# Altium PCB XTIDA-010086.PcbDoc (part 5 of 17) (continued)
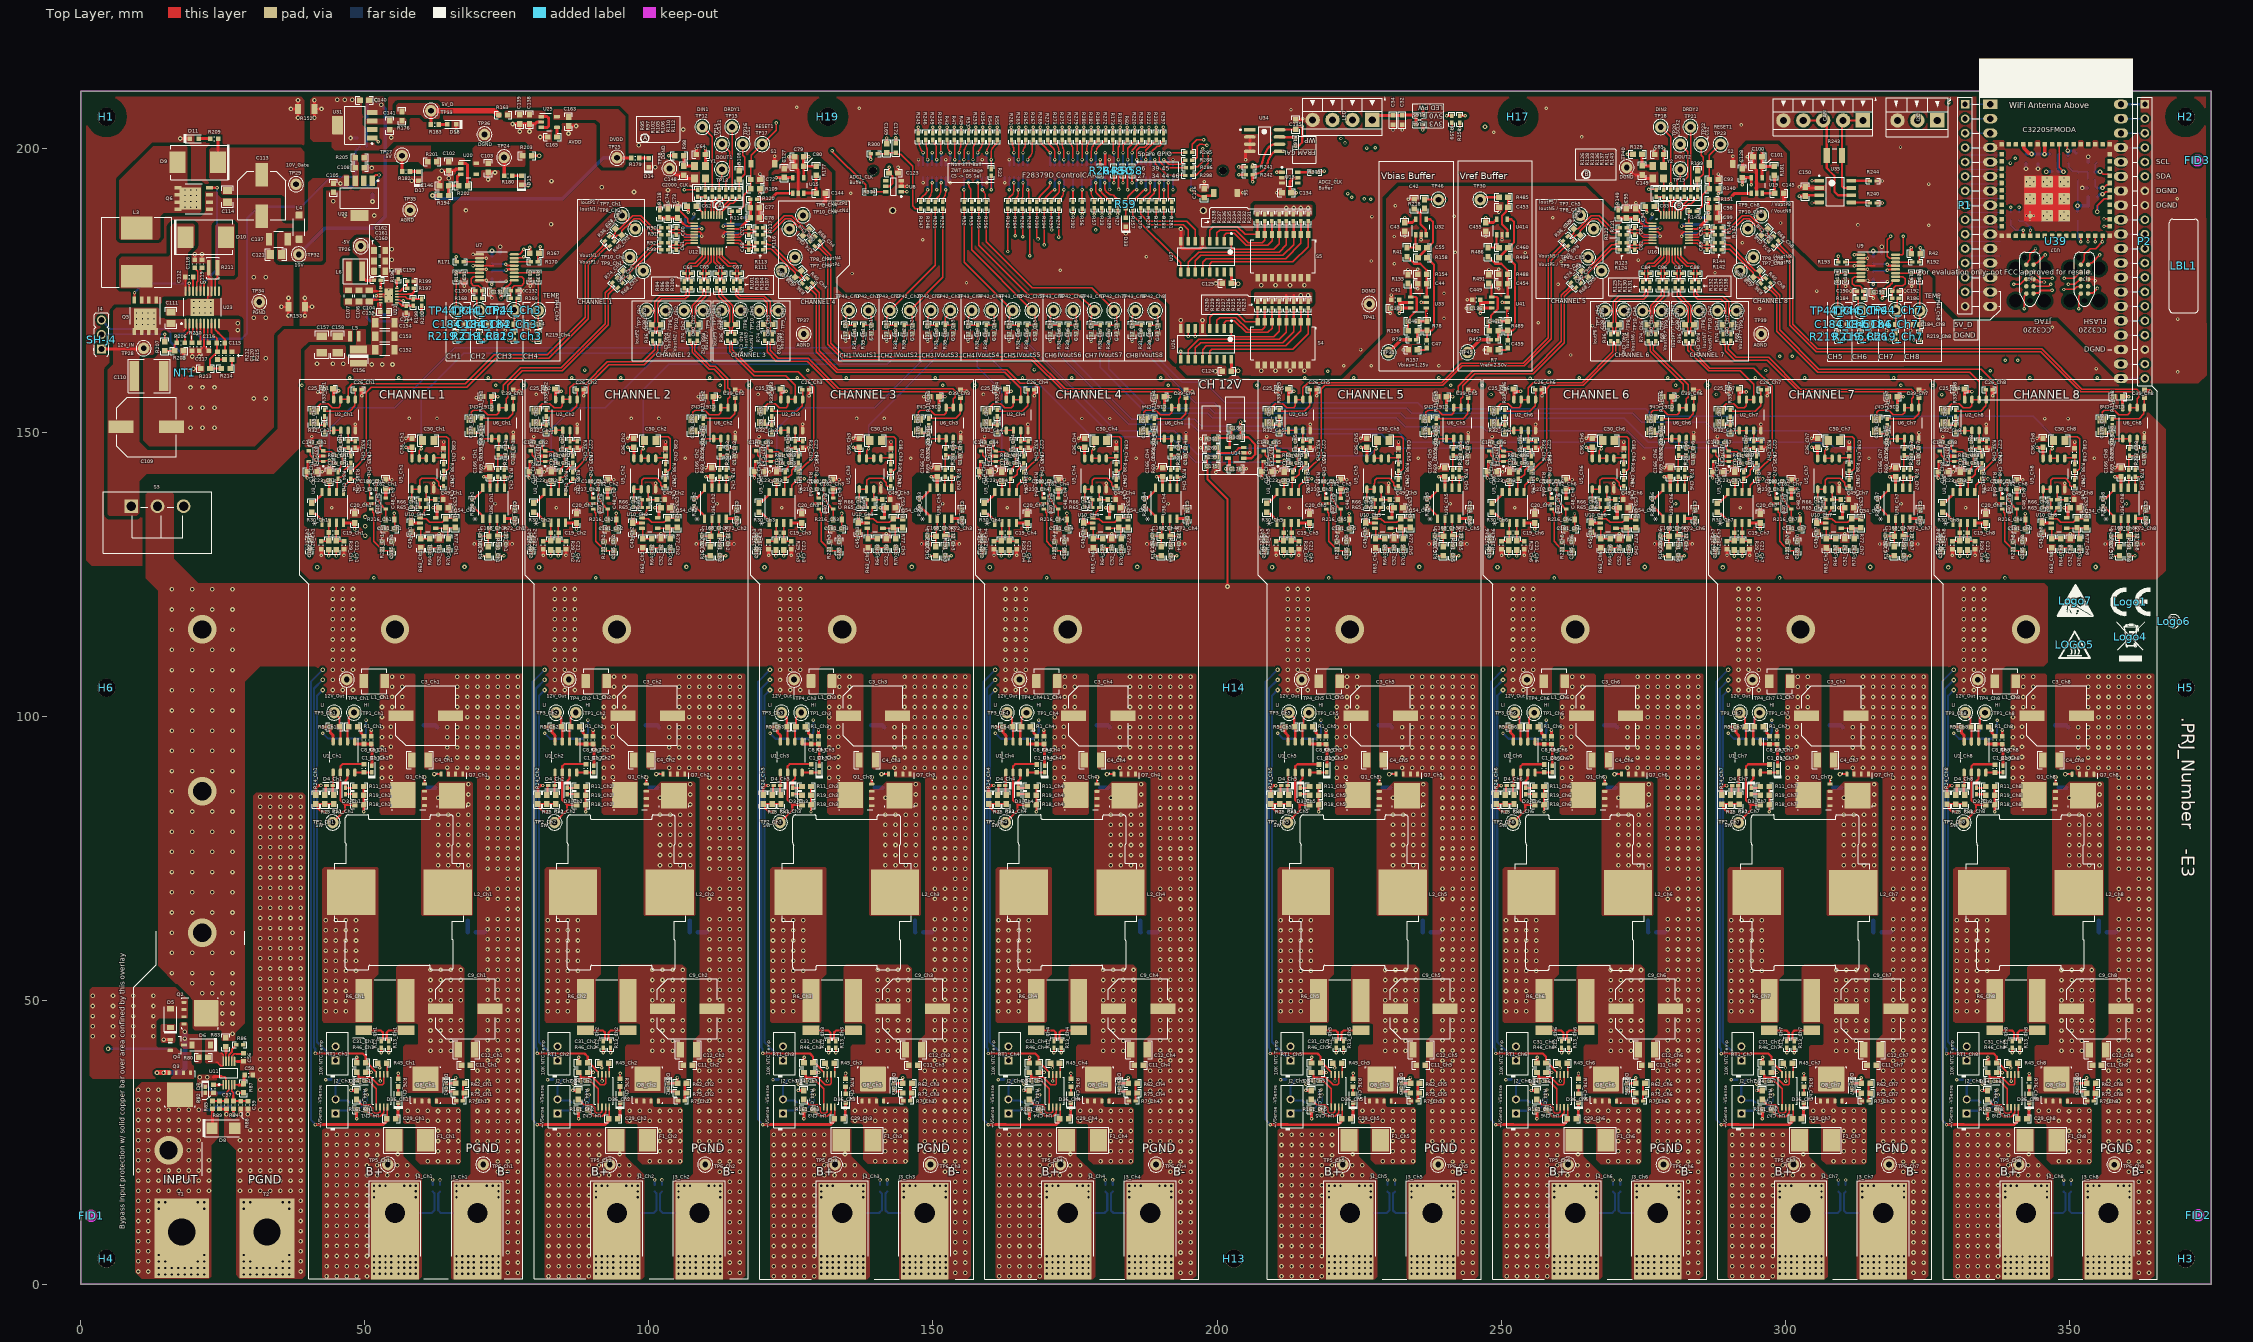
[diagram p0: Top Layer view]
## Part data (continued)
  C17_Ch1 C17_Ch2 C17_Ch3 C17_Ch4 C17_Ch5 C17_Ch6 C17_Ch7 C17_Ch8 C28_Ch1 C28_Ch2 C28_Ch3 C28_Ch4 C28_Ch5 C28_Ch6 C28_Ch7 C28_Ch8: Group2=CS
  C40_Ch1 C40_Ch2 C40_Ch3 C40_Ch4 C40_Ch5 C40_Ch6 C40_Ch7 C40_Ch8: Group2=VSD
C18_Ch1 C18_Ch2 C18_Ch3 C18_Ch4 C18_Ch5 C18_Ch6 C18_Ch7 C18_Ch8 C24_Ch1 C24_Ch2 C24_Ch3 C24_Ch4 C24_Ch5 C24_Ch6 C24_Ch7 C24_Ch8 C69 C74 C75 C78 C79 C90 C95 C96 C99 C100 C124 C125: library part CMP-0007405-4, "CAP, CERM, 1 uF, 25 V, +/- 10%, X7R, 0603", Cap_Case=0603, Manufacturer=MuRata, PartNumber=GRM188R71E105KA12D, Supplier Part Number 1=490-5307-1-ND, TempCo=X7R, Tolerance_%=10%, Value1=Unknown, Value2=25V, ValueDisplayed=1uF, AEC Category=Q200, AEC Qualified=?, Cap_F=1µF, ComponentLink1Description="Datasheet link", ComponentLink1URL=http://search.murata.co.jp/Ceramy/PnsearchViewAction.do?HnOFG=ON&HnNFG=ON&SEL_CNT=50&sLang=en&sKey=GRM188R71E105KA12D&x=9&y=9&search=startwith, CompType=Capacitor, LatestRevisionDate=2017-03-09, MountType=SMT, PackageReference=0603, Polarized=N, Published=2008-06-19, Publisher="Texas Instruments", RoHS=Y, SizeArea_mm2=1.28, SizeAreaWB_mm2=4.68, SizeX_mm=1.6, SizeY_mm=0.8, SizeZ_mm=1, Supplier 1=Digi-Key, Supplier 2=Mouser, Supplier 3=Farnell, Supplier Part Number 2=81-GRM188R71E105KA2D, Supplier Part Number 3=1735540, TaMax_C=125°C, TaMin_C=-55°C, Technology=Ceramic, U/M=EA, VDC_V=25V
  C18_Ch1 C18_Ch2 C18_Ch3 C18_Ch4 C18_Ch5 C18_Ch6 C18_Ch7 C18_Ch8 C24_Ch1 C24_Ch2 C24_Ch3 C24_Ch4 C24_Ch5 C24_Ch6 C24_Ch7 C24_Ch8: Group2=CS
C19_Ch1 C19_Ch2 C19_Ch3 C19_Ch4 C19_Ch5 C19_Ch6 C19_Ch7 C19_Ch8: library part GRM1885C1H102JA01D, "CAP, CERM, 100 pF, 50 V, +/- 5%, C0G/NP0, 0603", Cap_Case=0603, Manufacturer=MuRata, TempCo=C0G/NP0, Tolerance_%=5, Value1=Unknown, Value2=50V, ValueDisplayed=100pF, AEC Category=Q200, AEC Qualified=?, Cap_F=0.0000000001, ComponentLink1Description="Datasheet link", ComponentLink1URL=http://search.murata.co.jp/Ceramy/PnsearchViewAction.do?HnOFG=ON&HnNFG=ON&SEL_CNT=50&sLang=en&sKey=GRM1885C1H102JA01D&x=9&y=9&search=startwith, CompType=Capacitor, Group2=CS, LatestRevisionDate=2017-03-17, MountType=SMT, PackageReference=0603, PartNumber=GRM1885C1H101JA01D, Polarized=N, Published=2008-06-19, Publisher="Texas Instruments", RoHS=Y, SizeArea_mm2=1.28, SizeAreaWB_mm2=4.68, SizeX_mm=1.6, SizeY_mm=0.8, SizeZ_mm=1, SymbolVersion=2008-07-09, TaMax_C=125, TaMin_C=-55, Technology=Ceramic, U/M=EA, VDC_V=50
C26_Ch1 C26_Ch2 C26_Ch3 C26_Ch4 C26_Ch5 C26_Ch6 C26_Ch7 C26_Ch8 C27_Ch1 C27_Ch2 C27_Ch3 C27_Ch4 C27_Ch5 C27_Ch6 C27_Ch7 C27_Ch8: "CAP, CERM, 1000 pF, 25 V,+/- 10%, X7R, 0402", Cap_Case=0402, Manufacturer="Wurth Elektronik", Supplier Part Number 1=710-885012205044, TempCo=X7R, Tolerance_%=10, Value2=25V, ValueDisplayed=1000pF, AEC Category=Q200, AEC Grade=N/A, AEC Qualified=N, Cap_F=0.000000001, ComponentLink1Description="Datasheet link", ComponentLink1URL=http://katalog.we-online.de/pbs/datasheet/885012205044.pdf, CompType=Capacitor, Group2=CS, LatestRevisionDate=2017-06-22, MountType=SMT, PackageReference=0402, PartNumber=885012205044, Polarized=N, Published=2008-06-19, Publisher="Texas Instruments", RoHS=Y, SizeArea_mm2=0.5, SizeAreaWB_mm2=3, SizeX_mm=1, SizeY_mm=0.5, SizeZ_mm=0.6, Supplier 1=Mouser, SymbolVersion=2008-07-09, TaMax_C=125, TaMin_C=-55, Technology=Ceramic, U/M=EA, VDC_V=25
C33_Ch1 C33_Ch2 C33_Ch3 C33_Ch4 C33_Ch5 C33_Ch6 C33_Ch7 C33_Ch8 C48_Ch1 C48_Ch2 C48_Ch3 C48_Ch4 C48_Ch5 C48_Ch6 C48_Ch7 C48_Ch8 C151_Ch1 C151_Ch2 C151_Ch3 C151_Ch4 C151_Ch5 C151_Ch6 C151_Ch7 C151_Ch8: "CAP, CERM, 1200 pF, 50 V,+/- 10%, X7R, 0402", Cap_Case=0402, Manufacturer=MuRata, Supplier Part Number 1=490-1304-1-ND, TempCo=X7R, Tolerance_%=10, Value2=50V, ValueDisplayed=1200pF, AEC Category=Q200, AEC Qualified=?, Cap_F=0.0000000012, ComponentLink1Description="Datasheet link", ComponentLink1URL=http://search.murata.co.jp/Ceramy/PnsearchViewAction.do?HnOFG=ON&HnNFG=ON&SEL_CNT=50&sLang=en&sKey=GRM155R71H122KA01D&x=9&y=9&search=startwith, CompType=Capacitor, LatestRevisionDate=2017-06-22, MountType=SMT, PackageReference=0402, PartNumber=GRM155R71H122KA01D, Polarized=N, Published=2008-06-19, Publisher="Texas Instruments", RoHS=Y, SizeArea_mm2=0.5, SizeAreaWB_mm2=3, SizeX_mm=1, SizeY_mm=0.5, SizeZ_mm=0.6, Supplier 1=Digi-Key, Supplier 2=Mouser, Supplier Part Number 2=81-GRM15R71H122KA01D, SymbolVersion=2008-07-09, TaMax_C=125, TaMin_C=-55, Technology=Ceramic, U/M=EA, VDC_V=50
  C33_Ch1 C33_Ch2 C33_Ch3 C33_Ch4 C33_Ch5 C33_Ch6 C33_Ch7 C33_Ch8: Group2=CS
  C48_Ch1 C48_Ch2 C48_Ch3 C48_Ch4 C48_Ch5 C48_Ch6 C48_Ch7 C48_Ch8: Group2=VSS
  C151_Ch1 C151_Ch2 C151_Ch3 C151_Ch4 C151_Ch5 C151_Ch6 C151_Ch7 C151_Ch8: Group2=VSD
C35_Ch1 C35_Ch2 C35_Ch3 C35_Ch4 C35_Ch5 C35_Ch6 C35_Ch7 C35_Ch8 C50_Ch1 C50_Ch2 C50_Ch3 C50_Ch4 C50_Ch5 C50_Ch6 C50_Ch7 C50_Ch8 C178_Ch1 C178_Ch2 C178_Ch3 C178_Ch4 C178_Ch5 C178_Ch6 C178_Ch7 C178_Ch8: "CAP, CERM, 7500 pF, 50 V,+/- 5%, C0G/NP0, 0805", Cap_Case=0805, Manufacturer=MuRata, Supplier Part Number 1=490-1639-1-ND, TempCo=C0G/NP0, Tolerance_%=5, Value2=50V, ValueDisplayed=7500pF, AEC Category=Q200, AEC Qualified=?, Cap_F=0.0000000075, ComponentLink1Description="Datasheet link", ComponentLink1URL=http://search.murata.co.jp/Ceramy/PnsearchViewAction.do?HnOFG=ON&HnNFG=ON&SEL_CNT=50&sLang=en&sKey=GRM2195C1H752JA01D&x=9&y=9&search=startwith, CompType=Capacitor, LatestRevisionDate=2017-06-22, MountType=SMT, PackageReference=0805, PartNumber=GRM2195C1H752JA01D, Polarized=N, Published=2008-06-19, Publisher="Texas Instruments", RoHS=Y, SizeArea_mm2=2.5, SizeAreaWB_mm2=6.75, SizeX_mm=2, SizeY_mm=1.25, SizeZ_mm=1.45, Supplier 1=Digi-Key, Supplier 2=Mouser, Supplier Part Number 2=81-GRM2195C1H752JA1D, SymbolVersion=2008-07-09, TaMax_C=125, TaMin_C=-55, Technology=Ceramic, U/M=EA, VDC_V=50
  C35_Ch1 C35_Ch2 C35_Ch3 C35_Ch4 C35_Ch5 C35_Ch6 C35_Ch7 C35_Ch8: Group2=CS
  C50_Ch1 C50_Ch2 C50_Ch3 C50_Ch4 C50_Ch5 C50_Ch6 C50_Ch7 C50_Ch8: Group2=VSS
  C178_Ch1 C178_Ch2 C178_Ch3 C178_Ch4 C178_Ch5 C178_Ch6 C178_Ch7 C178_Ch8: Group2=VSD
C37_Ch1 C37_Ch2 C37_Ch3 C37_Ch4 C37_Ch5 C37_Ch6 C37_Ch7 C37_Ch8 C38_Ch1 C38_Ch2 C38_Ch3 C38_Ch4 C38_Ch5 C38_Ch6 C38_Ch7 C38_Ch8 C39_Ch1 C39_Ch2 C39_Ch3 C39_Ch4 C39_Ch5 C39_Ch6 C39_Ch7 C39_Ch8 C49_Ch1 C49_Ch2 C49_Ch3 C49_Ch4 C49_Ch5 C49_Ch6 C49_Ch7 C49_Ch8 C170_Ch1 C170_Ch2 C170_Ch3 C170_Ch4 C170_Ch5 C170_Ch6 C170_Ch7 C170_Ch8: "CAP, CERM, 1000 pF, 50 V, +/- 5%, C0G/NP0, 0603", Cap_Case=0603, Manufacturer=MuRata, Supplier Part Number 1=490-1451-1-ND, TempCo=C0G/NP0, Tolerance_%=5, Value1=Unknown, Value2=50V, ValueDisplayed=1000pF, AEC Category=Q200, AEC Qualified=?, Cap_F=0.000000001, ComponentLink1Description="Datasheet link", ComponentLink1URL=http://search.murata.co.jp/Ceramy/PnsearchViewAction.do?HnOFG=ON&HnNFG=ON&SEL_CNT=50&sLang=en&sKey=GRM1885C1H102JA01D&x=9&y=9&search=startwith, CompType=Capacitor, Group=ACS, LatestRevisionDate=2017-03-17, MountType=SMT, PackageReference=0603, PartNumber=GRM1885C1H102JA01D, Polarized=N, Published=2008-06-19, Publisher="Texas Instruments", RoHS=Y, SizeArea_mm2=1.28, SizeAreaWB_mm2=4.68, SizeX_mm=1.6, SizeY_mm=0.8, SizeZ_mm=1, Supplier 1=Digi-Key, Supplier 2=Mouser, Supplier 3=Farnell, Supplier Part Number 2=81-GRM39C102J50, Supplier Part Number 3=8819920, SymbolVersion=2008-07-09, TaMax_C=125, TaMin_C=-55, Technology=Ceramic, U/M=EA, VDC_V=50
  C37_Ch1 C37_Ch2 C37_Ch3 C37_Ch4 C37_Ch5 C37_Ch6 C37_Ch7 C37_Ch8 C38_Ch1 C38_Ch2 C38_Ch3 C38_Ch4 C38_Ch5 C38_Ch6 C38_Ch7 C38_Ch8 C49_Ch1 C49_Ch2 C49_Ch3 C49_Ch4 C49_Ch5 C49_Ch6 C49_Ch7 C49_Ch8: Group2=VSS
  C39_Ch1 C39_Ch2 C39_Ch3 C39_Ch4 C39_Ch5 C39_Ch6 C39_Ch7 C39_Ch8 C170_Ch1 C170_Ch2 C170_Ch3 C170_Ch4 C170_Ch5 C170_Ch6 C170_Ch7 C170_Ch8: Group2=VSD
C41 C47 C449 C459: "CAP, CERM, 10 µF, 10 V, +/- 10%, X7T, 0603", Cap_Case=0603, Manufacturer=MuRata, Supplier Part Number 1=490-10987-1-ND, TempCo=X7T, Tolerance_%=10, Value1=Unknown, Value2=10V, ValueDisplayed=10µF, AEC Category=Q200, AEC Grade=N/A, AEC Qualified=N, Cap_F=0.00001, ComponentLink1Description="Datasheet link", ComponentLink1URL=http://search.murata.co.jp/Ceramy/image/img/A01X/G101/ENG/ZRB18AD71A106KE01-01.pdf, CompType=Capacitor, LatestRevisionDate=2015-11-13, MountType=SMT, PackageReference=0603, PartNumber=ZRB18AD71A106KE01L, Polarized=N, Published=2008-06-19, Publisher="Texas Instruments", RoHS=Y, Supplier 1=Digi-Key, Supplier 2=Mouser, Supplier Part Number 2=81-ZRB18AD71A106KE1L, SymbolVersion=2008-07-09, TaMax_C=125, TaMin_C=-55, Technology=Ceramic, U/M=EA, VDC_V=10
C42 C118 C119 C453: "CAP, CERM, 1 µF, 25 V, +/- 10%, X7R, 0603", Cap_Case=0603, Manufacturer=MuRata, Supplier Part Number 1=490-5307-1-ND, TempCo=X7R, Tolerance_%=10, Value1=Unknown, Value2=25V, ValueDisplayed=1µF, Cap_F=0.000001, ComponentLink1Description="Datasheet link", ComponentLink1URL=http://search.murata.co.jp/Ceramy/PnsearchViewAction.do?HnOFG=ON&HnNFG=ON&SEL_CNT=50&sLang=en&sKey=GRM188R71E105KA12D&x=9&y=9&search=startwith, CompType=Capacitor, MountType=SMT, PackageReference=0603, PartNumber=GRM188R71E105KA12D, Polarized=N, Published=2008-06-19, Publisher="Texas Instruments", RoHS=Y, Supplier 1=Digi-Key, Supplier 2=Mouser, Supplier 3=Farnell, Supplier Part Number 2=81-GRM188R71E105KA2D, Supplier Part Number 3=1735540, SymbolVersion=2008-07-09, TaMax_C=125, TaMin_C=-55, Technology=Ceramic, U/M=EA, VDC_V=25
  C42 C453: LatestRevisionDate=2015-07-09
  C118 C119: LatestRevisionDate=2014-11-05
C46 C461: "CAP, CERM, 100 pF, 50 V, +/- 5%, C0G/NP0, 0603", Cap_Case=0603, Manufacturer=AVX, Supplier Part Number 1=478-1175-1-ND, TempCo=C0G/NP0, Tolerance_%=5, Value1="0.119 ohm", Value2=50V, ValueDisplayed=100pF, AEC Category=Q200, AEC Grade=N/A, AEC Qualified=N, Cap_F=0.0000000001, ComponentLink1Description="Datasheet link", ComponentLink1URL=http://datasheets.avx.com/C0GNP0-Dielectric.pdf, CompType=Capacitor, ESR_ohm=0.119, LatestRevisionDate=2017-03-03, MountType=SMT, PackageReference=0603, PartNumber=06035A101JAT2A, Polarized=N, Published=2008-06-19, Publisher="Texas Instruments", RoHS=Y, SizeArea_mm2=1.28, SizeAreaWB_mm2=4.68, SizeX_mm=1.6, SizeY_mm=0.8, SizeZ_mm=1, Supplier 1=Digi-Key, Supplier 2=Newark, Supplier 3=Mouser, Supplier Part Number 2=96K4763, Supplier Part Number 3=581-06035A101J, SymbolVersion=2008-07-09, TaMax_C=125, TaMin_C=-55, Technology=Ceramic, U/M=EA, VDC_V=50
C51 C60 C61 C63 C65 C66 C67 C68 C71 C81 C82 C84 C86 C87 C88 C89 C92 C130 C132 C133 C187 C190 C192 C193: "CAP, CERM, 10 pF, 50 V,+/- 5%, C0G/NP0, AEC-Q200 Grade 1, 0402", Cap_Case=0402, Manufacturer=TDK, Supplier Part Number 1=445-5584-1-ND, TempCo=C0G/NP0, Tolerance_%=5, Value2=50V, ValueDisplayed=10pF, AEC Category=Q200, AEC Grade=1, AEC Qualified=Y, Cap_F=0.00000000001, ComponentLink1Description="Datasheet link", ComponentLink1URL=https://product.tdk.com/info/en/documents/chara_sheet/CGA2B2C0G1H100D050BA.pdf, CompType=Capacitor, LatestRevisionDate=2017-06-22, MountType=SMT, PackageReference=0402, PartNumber=CGA2B2C0G1H100D050BA, Polarized=N, Published=2008-06-19, Publisher="Texas Instruments", RoHS=Y, SizeArea_mm2=0.5, SizeAreaWB_mm2=3, SizeX_mm=1, SizeY_mm=0.5, SizeZ_mm=0.6, Supplier 1=Digi-Key, Supplier 2=Newark, Supplier 3=Mouser, Supplier Part Number 2=52W9563, Supplier Part Number 3=810-CGA2B2C0G1H100D, SymbolVersion=2008-07-09, TaMax_C=125, TaMin_C=-55, Technology=Ceramic, U/M=EA, VDC_V=50
  C51 C130 C132 C133: Group2=T1
  C187 C190 C192 C193: Group2=T2
C52_Ch1 C52_Ch2 C52_Ch3 C52_Ch4 C52_Ch5 C52_Ch6 C52_Ch7 C52_Ch8 C135 C150 C175 C177_Ch1 C177_Ch2 C177_Ch3 C177_Ch4 C177_Ch5 C177_Ch6 C177_Ch7 C177_Ch8 C179_Ch1 C179_Ch2 C179_Ch3 C179_Ch4 C179_Ch5 C179_Ch6 C179_Ch7 C179_Ch8 C195: "CAP, CERM, 1 uF, 25 V, +/- 10%, X7R, 0603", Cap_Case=0603, Manufacturer=MuRata, PartNumber=GRM188R71E105KA12D, Supplier Part Number 1=490-5307-1-ND, TempCo=X7R, Tolerance_%=10%, Value1=Unknown, Value2=25V, ValueDisplayed=1uF, AEC Category=Q200, AEC Qualified=?, Cap_F=1µF, ComponentLink1Description="Datasheet link", ComponentLink1URL=http://search.murata.co.jp/Ceramy/PnsearchViewAction.do?HnOFG=ON&HnNFG=ON&SEL_CNT=50&sLang=en&sKey=GRM188R71E105KA12D&x=9&y=9&search=startwith, CompType=Capacitor, LatestRevisionDate=2017-03-09, MountType=SMT, PackageReference=0603, Polarized=N, Published=2008-06-19, Publisher="Texas Instruments", RoHS=Y, SizeArea_mm2=1.28, SizeAreaWB_mm2=4.68, SizeX_mm=1.6, SizeY_mm=0.8, SizeZ_mm=1, Supplier 1=Digi-Key, Supplier 2=Mouser, Supplier 3=Farnell, Supplier Part Number 2=81-GRM188R71E105KA2D, Supplier Part Number 3=1735540, TaMax_C=125°C, TaMin_C=-55°C, Technology=Ceramic, U/M=EA, VDC_V=25V
  C52_Ch1 C52_Ch2 C52_Ch3 C52_Ch4 C52_Ch5 C52_Ch6 C52_Ch7 C52_Ch8: Group2=VSS
  C177_Ch1 C177_Ch2 C177_Ch3 C177_Ch4 C177_Ch5 C177_Ch6 C177_Ch7 C177_Ch8 C179_Ch1 C179_Ch2 C179_Ch3 C179_Ch4 C179_Ch5 C179_Ch6 C179_Ch7 C179_Ch8: Group=ACS, Group2=VSD
C54_Ch1 C54_Ch2 C54_Ch3 C54_Ch4 C54_Ch5 C54_Ch6 C54_Ch7 C54_Ch8 C186: "CAP, CERM, 0.1 uF, 25 V, +/- 5%, X7R, 0603", Cap_Case=0603, Manufacturer=AVX, PartNumber=06033C104JAT2A, Supplier Part Number 1=478-3713-1-ND, TempCo=X7R, Tolerance_%=5%, Value1="0.05 ohm", Value2=25V, AEC Category=Q200, AEC Grade=N/A, AEC Qualified=N, Cap_F=100nF, ComponentLink1Description="Datasheet link", ComponentLink1URL=http://datasheets.avx.com/X7RDielectric.pdf, CompType=Capacitor, ESR_ohm=0.05, LatestRevisionDate=2017-03-09, MountType=SMT, PackageReference=0603, Polarized=N, Published=2008-06-19, Publisher="Texas Instruments", RoHS=Y, SizeArea_mm2=1.28, SizeAreaWB_mm2=4.68, SizeX_mm=1.6, SizeY_mm=0.8, SizeZ_mm=1, Supplier 1=Digi-Key, Supplier 2=Mouser, Supplier 3=Farnell, Supplier Part Number 2=581-06033C104JAT2A, Supplier Part Number 3=1740614, TaMax_C=125°C, TaMin_C=-55°C, Technology=Ceramic, U/M=EA, VDC_V=25V
  C54_Ch1 C54_Ch2 C54_Ch3 C54_Ch4 C54_Ch5 C54_Ch6 C54_Ch7 C54_Ch8: Group2=VSS
C57 C59: "CAP, CERM, 0.01 µF, 50 V, +/- 5%, C0G/NP0, 0603", Cap_Case=0603, Manufacturer=MuRata, Supplier Part Number 1=490-9666-1-ND, TempCo=C0G/NP0, Tolerance_%=5, Value1=Unknown, Value2=50V, ValueDisplayed=0.01µF, AEC Category=Q200, AEC Grade=N/A, AEC Qualified=N, Cap_F=0.00000001, ComponentLink1Description="Datasheet link", ComponentLink1URL=http://search.murata.co.jp/Ceramy/image/img/A01X/G101/ENG/GRM1885C1H103JA01-01.pdf, CompType=Capacitor, LatestRevisionDate=2017-03-17, MountType=SMT, PackageReference=0603, PartNumber=GRM1885C1H103JA01D, Polarized=N, Published=2008-06-19, Publisher="Texas Instruments", RoHS=Y, SizeArea_mm2=1.28, SizeAreaWB_mm2=4.68, SizeX_mm=1.6, SizeY_mm=0.8, SizeZ_mm=1, Supplier 1=Digi-Key, Supplier 2=Newark, Supplier 3=Mouser, Supplier Part Number 2=31Y1764, Supplier Part Number 3=81-GRM1885C1H103JA1D, SymbolVersion=2008-07-09, TaMax_C=125, TaMin_C=-55, Technology=Ceramic, U/M=EA, VDC_V=50
C72 C93: library part CMP-0006761-4, "CAP, CERM, 10 pF, 50 V, +/- 5%, C0G/NP0, 0603", Cap_Case=0603, Manufacturer=AVX, PartNumber=06035A100JAT2A, Supplier Part Number 1=478-1163-1-ND, TempCo=C0G/NP0, Tolerance_%=5%, Value1="0.403 ohm", Value2=50V, ValueDisplayed=10pF, AEC Category=Q200, AEC Grade=N/A, AEC Qualified=N, Cap_F=10pF, ComponentLink1Description="Datasheet link", ComponentLink1URL=http://datasheets.avx.com/C0GNP0-Dielectric.pdf, CompType=Capacitor, ESR_ohm=4.03d, LatestRevisionDate=2017-03-09, MountType=SMT, PackageReference=0603, Polarized=N, Published=2008-06-19, Publisher="Texas Instruments", RoHS=Y, SizeArea_mm2=1.28, SizeAreaWB_mm2=4.68, SizeX_mm=1.6, SizeY_mm=0.8, SizeZ_mm=1, Supplier 1=Digi-Key, Supplier 2=Newark, Supplier 3=Mouser, Supplier Part Number 2=17C6435, Supplier Part Number 3=581-06035A100J, TaMax_C=125°C, TaMin_C=-55°C, Technology=Ceramic, U/M=EA, VDC_V=50V
C102 C103 C105 C108 C140 C141: library part CMP-0006867-1, "CAP, CERM, 1 uF, 25 V, +/- 10%, X7R, 0603", Cap_Case=0603, Manufacturer=Kemet, Supplier Part Number 1=399-7376-1-ND, TempCo=X7R, Tolerance_%=10%, Value1=Unknown, Value2=25V, ValueDisplayed=1uF, AEC Category=Q200, AEC Qualified=?, Cap_F=1µF, ComponentLink1Description="Datasheet link", ComponentLink1URL=http://capacitoredge.kemet.com/capedge2/DataSheet/Datasheet-C0603C105K3RACTU.pdf?pn=C0603C105K3RACTU, CompType=Capacitor, LatestRevisionDate=2017-03-09, MountType=SMT, PackageReference=0603, PartNumber=C0603C105K3RACTU, Polarized=N, Published=2008-06-19, Publisher="Texas Instruments", RoHS=Y, SizeArea_mm2=1.28, SizeAreaWB_mm2=4.68, SizeX_mm=1.6, SizeY_mm=0.8, SizeZ_mm=1, Supplier 1=Digi-Key, Supplier 2=Newark, Supplier 3=Mouser, Supplier Part Number 2=24W4858, Supplier Part Number 3=80-C0603C105K3R, TaMax_C=125°C, TaMin_C=-55°C, Technology=Ceramic, U/M=EA, VDC_V=25V
C104 C106 C107: "CAP, CERM, 10 µF, 16 V, +/- 20%, X7R, 0805", Cap_Case=0805, Manufacturer="Taiyo Yuden", Supplier Part Number 1=587-3319-1-ND, TempCo=X7R, Tolerance_%=20, Value1=Unknown, Value2=16V, ValueDisplayed=10µF, AEC Category=Q200, AEC Qualified=?, Cap_F=0.00001, ComponentLink1Description="Datasheet link", ComponentLink1URL=http://www.yuden.co.jp/productdata/catalog/en/mlcc_all_e.pdf, CompType=Capacitor, LatestRevisionDate=2016-03-15, MountType=SMT, PackageReference=0805, PartNumber=EMK212BB7106MG-T, Polarized=N, Published=2008-06-19, Publisher="Texas Instruments", RoHS=Y, Supplier 1=Digi-Key, Supplier 2=Mouser, Supplier Part Number 2=963-EMK212BB7106MG-T, SymbolVersion=2008-07-09, TaMax_C=125, TaMin_C=-55, Technology=Ceramic, U/M=EA, VDC_V=16
C109: "CAP, AL, 22 µF, 100 V, +/- 20%, 0.55 ohm, SMD", Cap_Case=JA0, Manufacturer=Chemi-Con, Supplier Part Number 1=565-2341-1-ND, Tolerance_%=20, Value1="0.55 ohm", Value2=100V, ValueDisplayed=22µF, Cap_F=0.000022, ComponentLink1Description="Datasheet link", ComponentLink1URL=http://www.chemi-con.co.jp/e/catalog/pdf/al-e/al-sepa-e/003-chip/al-mvh-e-111201.pdf, CompType=Capacitor, ESR_ohm=0.55, IRMS_A=0.115, LatestRevisionDate=2014-11-05, MountType=SMT, PackageReference=JA0, PartNumber=EMVH101ADA220MJA0G, Polarized=Y, Publisher="Texas Instruments", RoHS=Y, Series=MVH, Supplier 1=Digi-Key, Supplier 2=Mouser, Supplier 3=Farnell, Supplier Part Number 2=661-MVH100V220M, Supplier Part Number 3=1698521, SymbolVersion=2008-07-09, TaMax_C=125, TaMin_C=-40, Technology=AL, U/M=EA, VDC_V=100
C110: "CAP, CERM, 10 µF, 100 V, +/- 20%, X7S,", Cap_Case=2220, Manufacturer=TDK, Supplier Part Number 1=445-5212-1-ND, TempCo=X7S, Tolerance_%=20, Value1="0.005 ohm", Value2=100V, ValueDisplayed=10µF, AEC Category=Q200, AEC Grade=N/A, AEC Qualified=N, Cap_F=0.00001, ComponentLink1Description="Datasheet link", ComponentLink1URL=http://product.tdk.com/en/catalog/datasheets/mlcc_commercial_midvoltage_en.pdf, CompType=Capacitor, ESR_ohm=0.005, IRMS_A=6.45, LatestRevisionDate=2016-08-21, MountType=SMT, PartNumber=C5750X7S2A106M230KB, Polarized=N, Published=2008-06-19, Publisher="Texas Instruments", RoHS=Y, SizeArea_mm2=28.5, SizeAreaWB_mm2=53.9, SizeX_mm=5.7, SizeY_mm=5, SizeZ_mm=2.5, Supplier 1=Digi-Key, Supplier 2=Mouser, Supplier 3=Farnell, Supplier Part Number 2=810-C5750X7S2A106M, Supplier Part Number 3=2363568, SymbolVersion=2008-07-09, TaMax_C=125, TaMin_C=-55, Technology=Ceramic, U/M=EA, VDC_V=100
C111: "CAP, CERM, 0.1 µF, 100 V, +/- 10%, X7R, 0805", Cap_Case=0805, Manufacturer=TDK, Supplier Part Number 1=445-1418-1-ND, TempCo=X7R, Tolerance_%=10, Value1="0.0158 ohm", Value2=100V, ValueDisplayed=0.1µF, AEC Category=Q200, AEC Grade=N/A, AEC Qualified=N, Cap_F=0.0000001, ComponentLink1Description="Datasheet link", ComponentLink1URL=http://www.tdk.co.jp/tefe02/e412_c.pdf, CompType=Capacitor, ESR_ohm=0.0158, LatestRevisionDate=2015-12-07, MountType=SMT, PackageReference=0805, PartNumber=C2012X7R2A104K125AA, Polarized=N, Published=2008-06-19, Publisher="Texas Instruments", RoHS=Y, Supplier 1=Digi-Key, Supplier 2=Farnell, Supplier Part Number 2=1844410, SymbolVersion=2008-07-09, TaMax_C=125, TaMin_C=-55, Technology=Ceramic, U/M=EA, VDC_V=100
C112 C116: "CAP, CERM, 0.1 µF, 100 V, +/- 10%, X7R, 0603", Cap_Case=0603, Manufacturer=MuRata, Supplier Part Number 1=490-3285-1-ND, TempCo=X7R, Tolerance_%=10, Value1=Unknown, Value2=100V, ValueDisplayed=0.1µF, AEC Category=Q200, AEC Qualified=?, Cap_F=0.0000001, ComponentLink1Description="Datasheet link", ComponentLink1URL=http://search.murata.co.jp/Ceramy/PnsearchViewAction.do?HnOFG=ON&HnNFG=ON&SEL_CNT=50&sLang=en&sKey=GRM188R72A104KA35D&x=9&y=9&search=startwith, CompType=Capacitor, LatestRevisionDate=2015-12-07, MountType=SMT, PackageReference=0603, PartNumber=GRM188R72A104KA35D, Polarized=N, Published=2008-06-19, Publisher="Texas Instruments", RoHS=Y, Supplier 1=Digi-Key, Supplier 2=Mouser, Supplier 3=Farnell, Supplier Part Number 2=81-GRM188R72A104KA35, Supplier Part Number 3=1828921, SymbolVersion=2008-07-09, TaMax_C=125, TaMin_C=-55, Technology=Ceramic, U/M=EA, VDC_V=100
C113: "CAP, Aluminum Polymer, 180 µF, 16 V, +/- 20%, 0.016 ohm, HC0 SMD", Cap_Case=HC0, Manufacturer=Chemi-Con, Supplier Part Number 1=565-3078-1-ND, Tolerance_%=20, Value1="0.016 ohm", Value2=16V, ValueDisplayed=180µF, AEC Category=Q200, AEC Grade=N/A, AEC Qualified=N, Cap_F=0.00018, ComponentLink1Description="Datasheet link", ComponentLink1URL=http://www.chemi-con.co.jp/cgi-bin/CAT_DB/SEARCH/cat_db_al.cgi?e=e&j=p&pdfname=pxa, CompType=Capacitor, ESR_ohm=0.016, IRMS_A=4.36, LatestRevisionDate=2016-09-12, MountType=SMT, PackageReference=HC0, PartNumber=APXA160ARA181MHC0G, Polarized=Y, Publisher="Texas Instruments", RoHS=Y, Series=PXA, SizeArea_mm2=72.25, SizeAreaWB_mm2=110.25, SizeX_mm=8.5, SizeY_mm=8.5, SizeZ_mm=12.3, Supplier 1=Digi-Key, Supplier 2=Mouser, Supplier Part Number 2=661-PXA16VC181MH, SymbolVersion=2008-07-09, TaMax_C=105, TaMin_C=-55, Technology="Aluminum Polymer", U/M=EA, VDC_V=16
C114: "CAP, CERM, 2.2 µF, 16 V, +/- 10%, X7R, 0805", Cap_Case=0805, Manufacturer=TDK, Supplier Part Number 1=445-1420-1-ND, TempCo=X7R, Tolerance_%=10, Value1="0.0049 ohm", Value2=16V, ValueDisplayed=2.2µF, AEC Category=Q200, AEC Qualified=?, Cap_F=0.0000022, ComponentLink1Description="Datasheet link", ComponentLink1URL=http://www.tdk.co.jp/tefe02/e412_c.pdf, CompType=Capacitor, ESR_ohm=0.0049, LatestRevisionDate=2016-03-26, MountType=SMT, PackageReference=0805, PartNumber=C2012X7R1C225K125AB, Polarized=N, Published=2008-06-19, Publisher="Texas Instruments", RoHS=Y, Supplier 1=Digi-Key, Supplier 2=Mouser, Supplier 3=Farnell, Supplier Part Number 2=810-C2012X7R1C225K, Supplier Part Number 3=1907345, SymbolVersion=2008-07-09, TaMax_C=125, TaMin_C=-55, Technology=Ceramic, U/M=EA, VDC_V=16
C115: "CAP, CERM, 1500 pF, 100 V, +/- 5%, C0G/NP0, 0603", Cap_Case=0603, Manufacturer=MuRata, Supplier Part Number 1=GRM1885C2A152JA01D-ND, TempCo=C0G/NP0, Tolerance_%=5, Value1=Unknown, Value2=100V, ValueDisplayed=1500pF, Cap_F=0.0000000015, ComponentLink1Description="Datasheet link", ComponentLink1URL=http://search.murata.co.jp/Ceramy/PnsearchViewAction.do?HnOFG=ON&HnNFG=ON&SEL_CNT=50&sLang=en&sKey=GRM1885C2A152JA01D&x=9&y=9&search=startwith, CompType=Capacitor, LatestRevisionDate=2014-11-05, MountType=SMT, PackageReference=0603, PartNumber=GRM1885C2A152JA01D, Polarized=N, Published=2008-06-19, Publisher="Texas Instruments", RoHS=Y, Supplier 1=Digi-Key, Supplier 2=Mouser, Supplier Part Number 2=81-GRM1885C2A152JA1D, SymbolVersion=2008-07-09, TaMax_C=125, TaMin_C=-55, Technology=Ceramic, U/M=EA, VDC_V=100
C117: "CAP, CERM, 330 pF, 100 V, +/- 5%, C0G/NP0, 0603", Cap_Case=0603, Manufacturer=TDK, Supplier Part Number 1=445-2309-1-ND, TempCo=C0G/NP0, Tolerance_%=5, Value1="0.1269 ohm", Value2=100V, ValueDisplayed=330pF, AEC Category=Q200, AEC Qualified=?, Cap_F=0.00000000033, ComponentLink1Description="Datasheet link", ComponentLink1URL=http://www.tdk.co.jp/tefe02/e412_c.pdf, CompType=Capacitor, ESR_ohm=0.1269, LatestRevisionDate=2016-03-26, MountType=SMT, PackageReference=0603, PartNumber=C1608C0G2A331J080AA, Polarized=N, Published=2008-06-19, Publisher="Texas Instruments", RoHS=Y, Supplier 1=Digi-Key, Supplier 2=Mouser, Supplier 3=Newark, Supplier Part Number 2=810-C1608C0G2A331J, Supplier Part Number 3=87R3569, SymbolVersion=2008-07-09, TaMax_C=125, TaMin_C=-55, Technology=Ceramic, U/M=EA, VDC_V=100
C120: "CAP, CERM, 0.056 µF, 50 V, +/- 10%, X7R, 0603", Cap_Case=0603, Manufacturer=MuRata, Supplier Part Number 1=81-GRM188R71H563KA93, TempCo=X7R, Tolerance_%=10, Value1=Unknown, Value2=50V, ValueDisplayed=0.056µF, Cap_F=0.000000056, ComponentLink1Description="Datasheet link", ComponentLink1URL=http://search.murata.co.jp/Ceramy/PnsearchViewAction.do?HnOFG=ON&HnNFG=ON&SEL_CNT=50&sLang=en&sKey=GRM188R71H563KA93D&x=9&y=9&search=startwith, CompType=Capacitor, LatestRevisionDate=2014-11-05, MountType=SMT, PackageReference=0603, PartNumber=GRM188R71H563KA93D, Polarized=N, Published=2008-06-19, Publisher="Texas Instruments", RoHS=Y, Supplier 1=Mouser, SymbolVersion=2008-07-09, TaMax_C=125, TaMin_C=-55, Technology=Ceramic, U/M=EA, VDC_V=50
C121: "CAP, CERM, 0.1 µF, 100 V, +/- 10%, X7R, 0805", Cap_Case=0805, Manufacturer=TDK, Supplier Part Number 1=445-1418-1-ND, TempCo=X7R, Tolerance_%=10, Value1="0.020726 ohm", Value2=100V, ValueDisplayed=0.1µF, AEC Category=Q200, AEC Grade=N/A, AEC Qualified=N, Cap_F=0.0000001, ComponentLink1Description="Datasheet link", ComponentLink1URL=https://product.tdk.com/en/search/capacitor/ceramic/mlcc/info?part_no=C2012X7R2A104K125AA, CompType=Capacitor, ESR_ohm=0.020726, IRMS_A=1.456, LatestRevisionDate=2016-10-19, MountType=SMT, PackageReference=0805, PartNumber=C2012X7R2A104K125AA, Polarized=N, Published=2008-06-19, Publisher="Texas Instruments", RoHS=Y, SizeArea_mm2=2.5, SizeAreaWB_mm2=6.75, SizeX_mm=2, SizeY_mm=1.25, SizeZ_mm=1.45, Supplier 1=Digi-Key, Supplier 2=Farnell, Supplier Part Number 2=1844410, SymbolVersion=2008-07-09, TaMax_C=125, TaMin_C=-55, Technology=Ceramic, U/M=EA, VDC_V=100
C126 C184_Ch1 C184_Ch2 C184_Ch3 C184_Ch4 C184_Ch5 C184_Ch6 C184_Ch7 C184_Ch8: "CAP, CERM, 0.01 µF, 25 V,+/- 5%, C0G/NP0, AEC-Q200 Grade 1, 0603", Cap_Case=0603, Manufacturer=Kemet, Supplier Part Number 1=399-14102-1-ND, TempCo=C0G/NP0, Tolerance_%=5, Value2=25V, ValueDisplayed=0.01µF, AEC Category=Q200, AEC Grade=1, AEC Qualified=Y, Cap_F=0.00000001, ComponentLink1Description="Datasheet link", ComponentLink1URL=https://search.kemet.com/component-edge/download/datasheet/C0603C103J3GECAUTO.pdf, CompType=Capacitor, LatestRevisionDate=2017-06-22, MountType=SMT, PackageReference=0603, PartNumber=C0603C103J3GECAUTO, Polarized=N, Published=2008-06-19, Publisher="Texas Instruments", RoHS=Y, SizeArea_mm2=1.28, SizeAreaWB_mm2=4.68, SizeX_mm=1.6, SizeY_mm=0.8, SizeZ_mm=1, Supplier 1=Digi-Key, Supplier 2=Newark, Supplier 3=Mouser, Supplier Part Number 2=06AC5972, Supplier Part Number 3=80-C0603C103J3GEAUTO, SymbolVersion=2008-07-09, TaMax_C=125, TaMin_C=-55, Technology=Ceramic, U/M=EA, VDC_V=25
  C184_Ch1 C184_Ch2 C184_Ch3 C184_Ch4 C184_Ch5 C184_Ch6 C184_Ch7 C184_Ch8: Group=TS
C137: library part CMP-0009120-1, "CAP, CERM, 10 uF, 50 V, +/- 20%, X7R, 1210", Cap_Case=1210, Manufacturer=TDK, Supplier Part Number 1=445-14933-1-ND, TempCo=X7R, Tolerance_%=20%, Value1=Unknown, Value2=50V, ValueDisplayed=10uF, AEC Category=Q200, AEC Qualified=?, Cap_F=10µF, ComponentLink1Description="Datasheet link", ComponentLink1URL=http://product.tdk.com/en/catalog/datasheets/mlcc_commercial_general_en.pdf, CompType=Capacitor, LatestRevisionDate=2017-03-09, MountType=SMT, PackageReference=1210, PartNumber=C3225X7R1H106M250AC, Polarized=N, Published=2008-06-19, Publisher="Texas Instruments", RoHS=Y, SizeArea_mm2=8, SizeAreaWB_mm2=14.7, SizeX_mm=3.2, SizeY_mm=2.5, SizeZ_mm=2.8, Supplier 1=Digi-Key, Supplier 2=Newark, Supplier 3=Mouser, Supplier Part Number 2=29X4867, Supplier Part Number 3=810-C3225X7R1H106MAC, TaMax_C=125°C, TaMin_C=-55°C, Technology=Ceramic, U/M=EA, VDC_V=50V
C139 C163: "CAP, CERM, 10 µF, 25 V,+/- 20%, X5R, 0603", Cap_Case=0603, Manufacturer=MuRata, Supplier Part Number 1=490-7202-1-ND, TempCo=X5R, Tolerance_%=20, Value2=25V, ValueDisplayed=10µF, AEC Category=Q200, AEC Qualified=?, Cap_F=0.00001, ComponentLink1Description="Datasheet link", ComponentLink1URL=http://psearch.murata.com/capacitor/product/GRM188R61E106MA73%23.pdf, CompType=Capacitor, Green_EU RoHS=Passed, Green_EU RoHS-2=Incomplete, Green_Lifecycle=Active, Green_REACh=Passed, LatestRevisionDate=2017-06-22, MountType=SMT, PackageReference=0603, PartNumber=GRM188R61E106MA73D, Polarized=N, Published=2008-06-19, Publisher="Texas Instruments", RoHS=Y, SizeArea_mm2=1.28, SizeAreaWB_mm2=4.68, SizeX_mm=1.6, SizeY_mm=0.8, SizeZ_mm=1, Supplier 1=Digi-Key, Supplier 2=Mouser, Supplier 3=Farnell, Supplier Part Number 2=81-GRM188R61E106MA3L, Supplier Part Number 3=1828803RL, SymbolVersion=2008-07-09, TaMax_C=85, TaMin_C=-55, Technology=Ceramic, U/M=EA, VDC_V=25